# Altium PCB SmallHat_V4.PcbDoc
Units mil, origin at the board's own origin, x right, y up, seen from the top; angles counter-clockwise.
Board outline 2637.8 x 2283.46 mil, 2 copper layers (Top Layer, Bottom Layer); 66 components, 91 nets, 343 pads, 230 vias.
Unrouted connection lines stored in the file: 1.
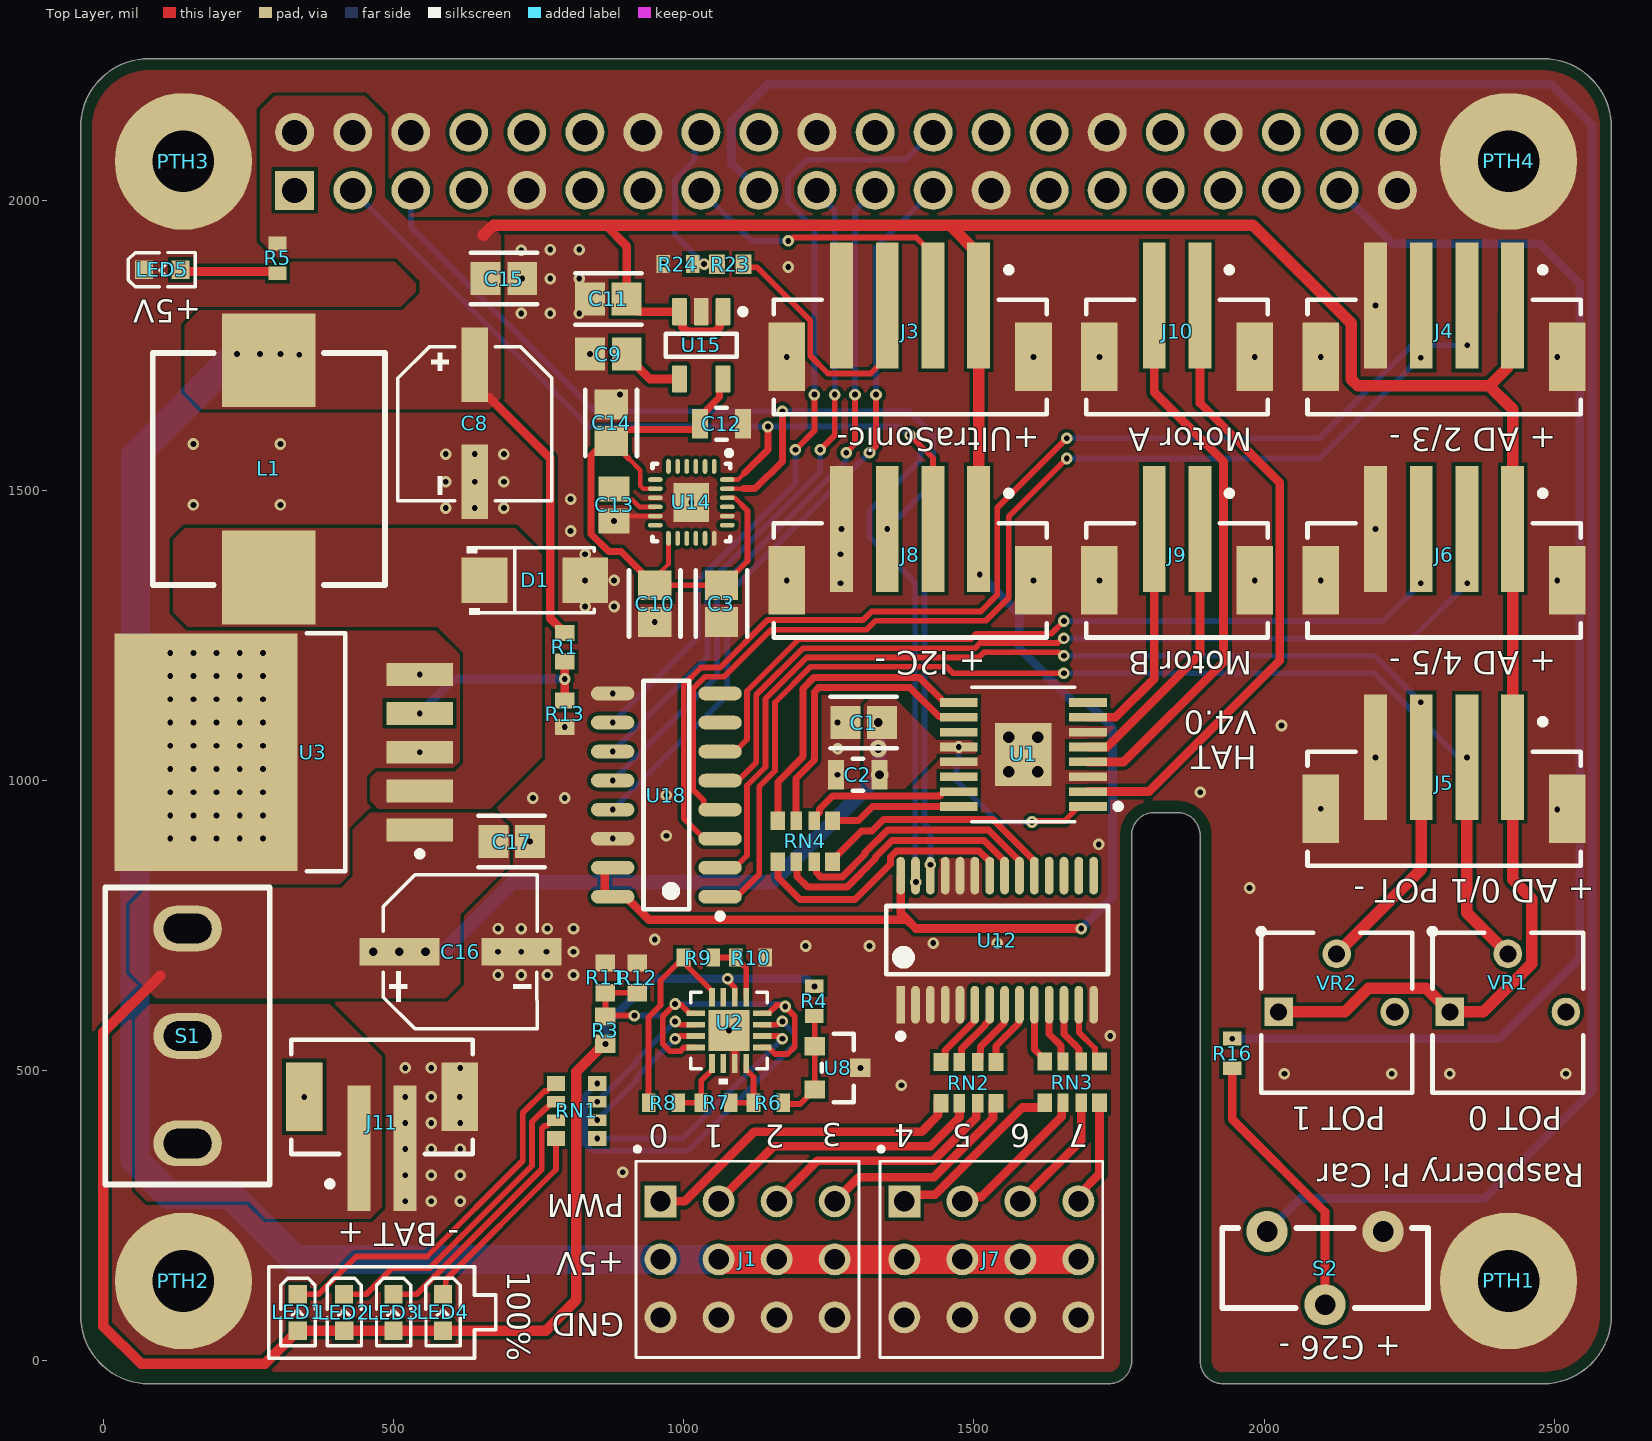
[diagram p0: Top Layer view]
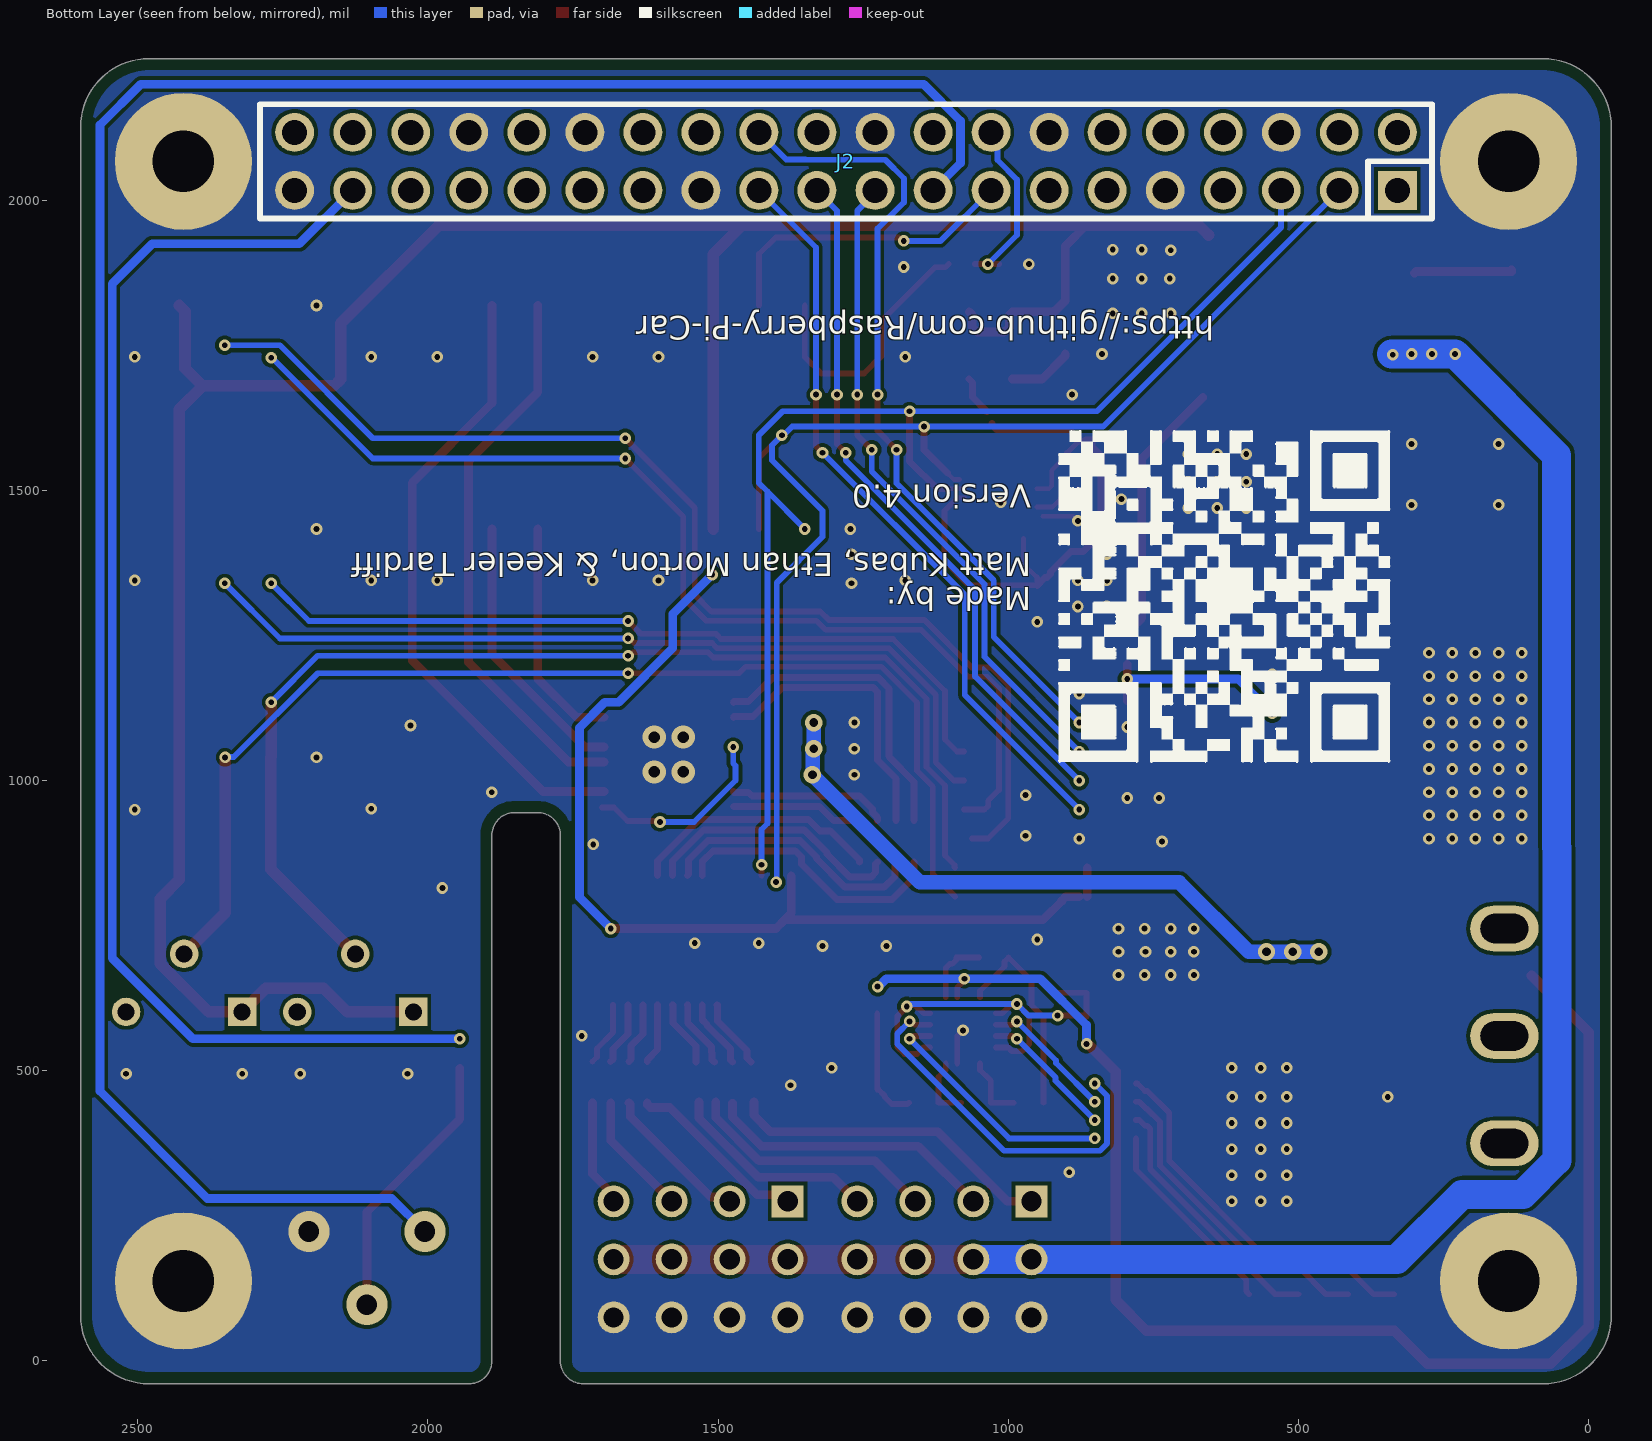
[diagram p1: Bottom Layer view, seen from below]

## Layer stack, top to bottom
Top Solder: solder mask 0.4, Solder Resist, Dk 3.5
Top Layer: signal copper 1.4
Dielectric 1: dielectric 12.6, FR-4, Dk 4.8
Bottom Layer: signal copper 1.4
Bottom Solder: solder mask 0.4, Solder Resist, Dk 3.5

## Board outline
78.74,-39.37 1732.28,-39.37 ccw(c1732.28,0) 1771.65,0 1771.65,905.51 cw(c1811.02,905.51) 1811.02,944.88 1850.39,944.88 cw(c1850.39,905.51) 1889.76,905.51 1889.76,0 ccw(c1929.13,0) 1929.13,-39.37 2480.32,-39.37 ccw(c2480.31,78.74) 2598.43,78.74 2598.43,2125.98 ccw(c2480.32,2125.98) 2480.32,2244.09 78.74,2244.09 ccw(c78.74,2125.98) -39.37,2125.98 -39.37,78.74 ccw(c78.74,78.74)

## Design rules (kind name [scope] priority, off if disabled: settings)
BoardOutlineClearance [All] p1: gap=20 ignorepadtopadclearanceinfootprint=FALSE
Clearance [All] p1: gap=6.3 ignorepadtopadclearanceinfootprint=FALSE except(4: Arc-SMDPad Track-SMDPad SMDPad-SMDPad; 6: Arc-Arc Arc-Track Track-Track)
HoleSize [All] p1: absolutevalues=TRUE maxlimit=262.6 minlimit=1 maxpercent=80.000 minpercent=20.000
MinimumSolderMaskSliver [All] p1: minsoldermaskwidth=1.97
PlaneConnect [All] p1: planeconnectstyle=Direct reliefexpansion=20 reliefentries=4 reliefconductorwidth=10 reliefairgap=10
PolygonConnect [All] p1: connectstyle=Direct reliefconductorwidth=10 reliefentries=4 polygonreliefangle="90 Angle" airgapwidth=10
RoutingVias [All] p1: holewidth=10 width=20 viastyle="Through Hole" minholewidth=10 minwidth=20 maxholewidth=248.03 maxwidth=314.96
SilkToSolderMaskClearance [IsPad] p1: minsilkscreentomaskgap=5.91 clearancetoexposedcopper=TRUE
SolderMaskExpansion [All] p1: expansion=1.5 istentingtop=FALSE
SupplyNets "Schematic Supply Nets_4" [InNet('B+SW')] p1: voltage=0.000
SupplyNets "Schematic Supply Nets_3" [InNet('5V')] p2: voltage=0.000
SupplyNets "Schematic Supply Nets_2" [InNet('GND')] p3: voltage=0.000
SupplyNets "Schematic Supply Nets" [InNet('3.3V')] p4: voltage=0.000
UnRoutedNet [All] p1: checkbadconnections=TRUE
Width [All] p1: maxlimit=78.74 minlimit=3.94 preferedwidth=10
25 further rules are at their usual default settings.

## Components (designator, comment, footprint, x,y, rotation, side; value= is the part's Value field where it differs from the comment)
C1 "100nF" FP-CC0805-0_85-IPC_B 1310,1100 r180 top value="100 nF"
C2 "10uF" FP-GRM21B-0_15-MFG 1300,1010 r180 top
C3 "100nF" FP-CC0805-0_85-IPC_B 1065,1305 r90 top value="100 nF"
C8 "220uF" RVT1A221M0605-Footprint-1 640,1716.18 r270 top
C9 "10nF" CAPC2013X100X50NL20T25 870,1735 r0 top
C10 "100nF" FP-CC0805-0_85-IPC_B 950,1305 r270 top value="100 nF"
C11 "100nF" FP-CC0805-0_85-IPC_B 870,1830 r180 top value="100 nF"
C12 "10uF" FP-GRM21B-0_15-MFG 1065,1615 r0 top
C13 "1uF" CAPC2013X140X50LL20T25 880,1475 r270 top
C14 "100nF" FP-CC0805-0_85-IPC_B 875,1616.53 r270 top value="100 nF"
C15 "100nF" FP-CC0805-0_85-IPC_B 690,1865 r0 top value="100 nF"
C16 "100uF" RVT1C101M0605-Footprint-1 509.77,705 r0 top
C17 "100nF" FP-CC0805-0_85-IPC_B 703.47,895 r0 top value="100 nF"
D1 "SS34" SS34-Footprint-1 656.78,1345 r0 top
J1 "5-103817-2" TE_5-103817-2 1110,175 r0 top
J2 "2.54-2*20P--PC104" "New footprint 1"#1 1279.53,2066.93 r0 bottom locked
J3 "B4B-PH-SM4-TB(LF)(SN)" FP-B4B-PH-SM4-TB-MFG 1390,1730 r180 top
J4 "B4B-PH-SM4-TB(LF)(SN)" FP-B4B-PH-SM4-TB-MFG 2310,1730 r180 top
J5 "B4B-PH-SM4-TB(LF)(SN)" FP-B4B-PH-SM4-TB-MFG 2310,951.42 r180 top
J6 "B4B-PH-SM4-TB(LF)(SN)" FP-B4B-PH-SM4-TB-MFG 2310,1345 r180 top
J7 "5-103817-2" TE_5-103817-2 1530,175 r0 top
J8 "B4B-PH-SM4-TB(LF)(SN)" FP-B4B-PH-SM4-TB-MFG 1390,1345 r180 top
J9 "B2B-PH-SM4-TB(LF)(SN)" FP-B2B-PH-SM4-TB_LF_SN-MFG 1850,1345 r180 top
J10 "B2B-PH-SM4-TB(LF)(SN)" FP-B2B-PH-SM4-TB_LF_SN-MFG 1850,1730 r180 top
J11 "B2B-PH-SM4-TB(LF)(SN)" FP-B2B-PH-SM4-TB_LF_SN-MFG 480,455 r0 top
L1 "FXL1050-470-M" FXL1050-470-M-Footprint-1 285,1350 r90 top
LED1 "KT-0603R" XL-1608SURC-06-Footprint-1 334.73,115.01 r270 top
LED2 "KT-0603R" XL-1608SURC-06-Footprint-1 414.73,115.01 r270 top
LED3 "KT-0603R" XL-1608SURC-06-Footprint-1 499.73,115.01 r270 top
LED4 "KT-0603R" XL-1608SURC-06-Footprint-1 585,115 r270 top
LED5 "KT-0603R" XL-1608SURC-06-Footprint-1 70,1880 r0 top
PTH1 "Mounting Hole (2.7/6 mm)" "New footprint 1"#2 2470.75,137.8 r0 top
PTH2 "Mounting Hole (2.7/6 mm)" "New footprint 1"#3 80.75,-769.25 r0 top
PTH3 "Mounting Hole (2.7/6 mm)" "New footprint 1"#4 80.75,1110.75 r0 top
PTH4 "Mounting Hole (2.7/6 mm)" "New footprint 1"#5 2350.75,1130.75 r0 top
R1 "3.74k" RESC1608X55X30LL15T15#1 795,1230 r270 top
R3 "36k" RESC1608X55X30LL20T20 865,570 r270 top
R4 "2k" RESC1608X55X25LL10T15 1225,620 r90 top
R5 "2k" RESC1608X55X25LL10T15 300,1900 r90 top
R6 "27k" RESC1608X55X25LL10T15 1145.59,445 r180 top
R7 "3k" RESC1608X55X25LL10T15 1055.59,445 r180 top
R8 "3k" RESC1608X55X25LL10T15 965,445 r180 top
R9 "3k" RESC1608X55X25LL10T15 1025,695 r0 top
R10 "33k" RESC1608X55X25LL10T15 1115,695 r180 top
R11 "18k" RESC1608X55X30LL15T15#2 865,660 r270 top
R12 "18k" RESC1608X55X30LL15T15#2 920,660 r270 top
R13 "1.13k" RESC1609X50X30LL10T20 795,1115 r270 top
R16 "2k" RESC1608X55X25LL10T15 1945,530 r270 top
R23 "1.13k" RESC1609X50X30LL10T20 1080,1890 r0 top
R24 "2k" RESC1608X55X25LL10T15 990,1890 r0 top
RN1 "4D03WGJ0103T5E" 4D03WGJ0103T5E-Footprint-1 850.87,383.51 r90 top
RN2 "4D03WGJ0101T5E" 4D03WGJ0101T5E-Footprint-1 1443.51,444.13 r0 top
RN3 "4D03WGJ0101T5E" 4D03WGJ0101T5E-Footprint-1 1622.01,445 r0 top
RN4 "4D03WGJ0101T5E" 4D03WGJ0101T5E-Footprint-1 1256.49,930.87 r180 top
S1 "SS-12M11G3" SS-12M11G5-Footprint-1 145,745 r270 top
S2 "K3-1235D-K1" K3-1235D-K1-Footprint-1 2105,160 r180 top
U1 "PDRV8411PWPR" PWP0016C-IPC_B 1696.24,955.43 r180 top
U2 "LM324QT" LM324QT-Footprint-1 1078,569.53 r270 top
U3 "LM2596S-ADJ(UMW)" TS5B_L 310.75,1048.86 r180 top
U8 "TL431ASA-7" FP-SOT23-MFG 1265,505 r0 top
U12 "PCA9685PW,118" FP-SOT361-1-IPC_B 1540,725 r90 top
U14 "ICM-20948" TDK-QFN-24_L 1012.99,1479.37 r270 top
U15 "TPS79318DBVR" DBV0005A_M 1030,1750 r270 top
U18 "MCP3008-I/SL" SOIC-SL16_L 970,975 r180 top
VR1 "3362P-1-103LF" BOUR-3362P 2420,600 r0 top value=10k
VR2 "3362P-1-103LF" BOUR-3362P 2125,600 r0 top value=10k

## Footprints (in the part's own frame and the unit in brackets; to place one, negate y for a bottom-side part, rotate by r counter-clockwise, add the part's x,y. Pads: shape width x height; smd on the part's side, far side on the other; paste and mask are expansions set on the pad)
4D03WGJ0101T5E-Footprint-1 [mm]
  rect 0.65x0.8 smd: 1(0,0) 4(2.4,0) 5(2.4,1.8) 8(0,1.8)
  rect 0.5x0.8 smd: 2(0.8,0) 3(1.6,0) 6(1.6,1.8) 7(0.8,1.8)
4D03WGJ0103T5E-Footprint-1 [mm]
  rect 0.65x0.8 smd: 1(0,0) 4(2.4,0) 5(2.4,1.8) 8(0,1.8)
  rect 0.5x0.8 smd: 2(0.8,0) 3(1.6,0) 6(1.6,1.8) 7(0.8,1.8)
BOUR-3362P [mm] "THD, 3-Leads, Body 6.6x6.99mm, Pitch 2.54mm"
  rect 1.25x1.25 hole 0.75: 1(-2.54,0.035)
  round 1.25 hole 0.75: 2(0,2.575) 3(2.54,0.035)
  silkscreen extent -3.43,-3.49 3.3,3.68, body extent -3.3,-3.49 3.3,3.49, height 4.95
CAPC2013X100X50NL20T25 [mm] "Chip Capacitor, 2-Leads, Body 2.00x1.25mm, IPC Medium Density"
  rect 1.3x1.45 smd: 1(-0.8,0) 2(0.8,0)
  body extent -1.1,-0.72 1.1,0.72, height 1
CAPC2013X140X50LL20T25 [mm] "Chip Capacitor, 2-Leads, Body 2.00x1.25mm, IPC High Density"
  rect 1.1x1.35 smd: 1(-0.7,0) 2(0.7,0)
  body extent -1.1,-0.72 1.1,0.72, height 1.4
DBV0005A_M [mm] "SOT23, 5-Leads, Body 3.05x1.75mm, Pitch 0.95mm, IPC Low Density"
  rrect15% 1.2x0.65 smd: 1(-1.475,0.95) 2(-1.475,0) 3(-1.475,-0.95) 4(1.475,-0.95) 5(1.475,0.95)
  silkscreen extent -1.6,-1.55 0.5,1.95, body extent -1.42,-1.46 1.42,1.46, height 1.08
FP-B2B-PH-SM4-TB_LF_SN-MFG [mm]
  rect 1x5.5 smd paste+0 mask+0: 1(-1,-2.25) 2(1,-2.25)
  rect 1.6x3 smd paste+0 mask+0: 3(-3.4,0) 4(3.4,0)
  silkscreen extent -3.98,-3.93 3.98,2.5, body extent -3.98,-4.5 3.98,2.5, height 6.6
FP-B4B-PH-SM4-TB-MFG [mm]
  rect 1x5.5 smd paste+0 mask+0: 1(-3,-2.25) 2(-1,-2.25) 3(1,-2.25) 4(3,-2.25)
  rect 1.6x3 smd paste+0 mask+0: 5(-5.4,0) 6(5.4,0)
  silkscreen extent -5.97,-3.93 5.97,2.5, body extent -5.97,-4.5 5.97,2.5, height 6.78
FP-CC0805-0_85-IPC_B [mil]
  rect 51.36x57.33 smd paste+0 mask+0: 1(-31.53,0) 2(31.53,0)
  silkscreen extent -57,-44 57,44, body extent -67,-39 67,39, height 10
FP-GRM21B-0_15-MFG [mm]
  rect 0.7x1.3 smd paste+0 mask+0: 1(-0.95,0) 2(0.95,0)
  silkscreen extent -0.23,-0.7 0.23,0.7, body extent -1.4,-0.8 1.4,0.8, height 0.25
FP-SOT23-MFG [mm]
  rect 0.9x0.8 smd paste+0 mask+0: 1(-1,0.95) 2(-1,-0.95) 3(1,0)
  silkscreen extent -0.7,-1.5 0.7,1.5, body extent -1.2,-1.45 1.2,1.45, height 1.1
FP-SOT361-1-IPC_B [mm]
  rect 1.655x0.381 smd paste+0 mask+0: 1(-2.825,4.225)
  rrect100% 1.655x0.381 smd paste+0 mask+0: 2(-2.825,3.575) 3(-2.825,2.925) 4(-2.825,2.275) 5(-2.825,1.625) 6(-2.825,0.975) 7(-2.825,0.325) 8(-2.825,-0.325) 9(-2.825,-0.975) 10(-2.825,-1.625) 11(-2.825,-2.275) 12(-2.825,-2.925) 13(-2.825,-3.575) 14(-2.825,-4.225) 15(2.825,-4.225) 16(2.825,-3.575) 17(2.825,-2.925) 18(2.825,-2.275) 19(2.825,-1.625) 20(2.825,-0.975) 21(2.825,-0.325) 22(2.825,0.325) 23(2.825,0.975) 24(2.825,1.625) 25(2.825,2.275) 26(2.825,2.925) 27(2.825,3.575) 28(2.825,4.225)
  silkscreen extent -4.33,-4.85 1.5,4.85, body extent -3.9,-5.1 3.9,5.1, height 0.25
FXL1050-470-M-Footprint-1 [mm]
  rect 4.1x4.1 smd: 1(0,0) 2(9.5,0)
  silkscreen extent -0.33,-5.08 9.83,5.08
K3-1235D-K1-Footprint-1 [mm]
  round 1.8 hole 0.9: 1(-2.54,-1.6) 2(0,1.6) 3(2.54,-1.6)
  silkscreen extent -4.5,-1.75 4.5,1.75
LM324QT-Footprint-1 [mil]
  rect 32x10 smd paste+0 mask+0: 1(-57,29.53) 2(-57,9.84) 3(-57,-9.84) 4(-57,-29.53) 9(57,-29.53) 10(57,-9.84) 11(57,9.84) 12(57,29.53)
  rect 10x32 smd paste+0 mask+0: 5(-29.53,-57) 6(-9.84,-57) 7(9.84,-57) 8(29.53,-57) 13(29.53,57) 14(9.84,57) 15(-9.84,57) 16(-29.53,57)
  rect 71x71 smd paste+0 mask+0: 17(0,0)
  round 15 on Top Overlay: ""(-85,60)
  round 7.87 on Mech1: ""(-85,60)
  silkscreen extent -66,-66 93,66, body extent -61,-61 61,61, height 39
"New footprint 1"#1 [mm]
  rect 1.7x1.7 hole 1.1: 1(-24.13,1.27)
  round 1.7 hole 1.1: 2(-24.13,-1.27) 3(-21.59,1.27) 4(-21.59,-1.27) 5(-19.05,1.27) 6(-19.05,-1.27) 7(-16.51,1.27) 8(-16.51,-1.27) 9(-13.97,1.27) 10(-13.97,-1.27) 11(-11.43,1.27) 12(-11.43,-1.27) 13(-8.89,1.27) 14(-8.89,-1.27) 15(-6.35,1.27) 16(-6.35,-1.27) 17(-3.81,1.27) 18(-3.81,-1.27) 19(-1.27,1.27) 20(-1.27,-1.27) 21(1.27,1.27) 22(1.27,-1.27) 23(3.81,1.27) 24(3.81,-1.27) 25(6.35,1.27) 26(6.35,-1.27) 27(8.89,1.27) 28(8.89,-1.27) 29(11.43,1.27) 30(11.43,-1.27) 31(13.97,1.27) 32(13.97,-1.27) 33(16.51,1.27) 34(16.51,-1.27) 35(19.05,1.27) 36(19.05,-1.27) 37(21.59,1.27) 38(21.59,-1.27) 39(24.13,1.27) 40(24.13,-1.27)
  silkscreen extent -25.65,-2.5 25.65,2.5, body extent -25.65,-2.5 25.65,2.5, height 13.75
"New footprint 1"#2 [mm]
  round 6 hole 2.7: 0(-1.257,0)
"New footprint 1"#3 [mm]
  round 6 hole 2.7: 0(1.449,23.039)
"New footprint 1"#4 [mm]
  round 6 hole 2.7: 0(1.449,24.287)
"New footprint 1"#5 [mm]
  round 6 hole 2.7: 0(1.791,23.779)
PWP0016C-IPC_B [mm]
  rect 1.655x0.381 smd paste+0 mask+0: 1(0,0) 2(0,-0.65) 3(0,-1.3) 4(0,-1.95) 5(0,-2.6) 6(0,-3.25) 7(0,-3.9) 8(0,-4.55) 9(5.651,-4.55) 10(5.651,-3.9) 11(5.651,-3.25) 12(5.651,-2.6) 13(5.651,-1.95) 14(5.651,-1.3) 15(5.651,-0.65) 16(5.651,0)
  rect 2.46x2.77 smd paste-1.372 mask+0: 17(2.825,-2.275)
  silkscreen extent -1.45,-5.22 5.08,0.67
RESC1608X55X25LL10T15 [mm] "Chip Resistor, 2-Leads, Body 1.60x0.80mm, IPC High Density"
  rect 0.6x0.8 smd: 1(-0.65,0) 2(0.65,0)
  body extent -0.85,-0.45 0.85,0.45, height 0.55
RESC1608X55X30LL15T15#1 [mm] "Chip Resistor, 2-Leads, Body 1.60x0.80mm, IPC High Density"
  rect 0.7x0.85 smd: 1(-0.625,0) 2(0.625,0)
  body extent -0.87,-0.48 0.87,0.48, height 0.55
RESC1608X55X30LL15T15#2 [mm] "Chip Resistor, 2-Leads, Body 1.75x0.95mm, IPC High Density"
  rect 0.75x0.85 smd: 1(-0.65,0) 2(0.65,0)
  body extent -0.87,-0.48 0.87,0.48, height 0.55
RESC1608X55X30LL20T20 [mm] "Chip Resistor, 2-Leads, Body 1.60x0.80mm, IPC High Density"
  rect 0.8x0.9 smd: 1(-0.6,0) 2(0.6,0)
  body extent -0.9,-0.5 0.9,0.5, height 0.55
RESC1609X50X30LL10T20 [mm] "Chip Resistor, 2-Leads, Body 1.55x0.85mm, IPC High Density"
  rect 0.7x0.85 smd: 1(-0.575,0) 2(0.575,0)
  body extent -0.82,-0.48 0.82,0.48, height 0.5
RVT1A221M0605-Footprint-1 [mm]
  rect 3.26x1.15 smd: 1(0,0) 2(5.11,0)
  silkscreen extent -0.81,-3.38 5.95,3.38
RVT1C101M0605-Footprint-1 [mm]
  rect 3.5x1.2 smd: 1(0,0) 2(5.34,0)
  silkscreen extent -0.71,-3.38 6.05,3.38
SOIC-SL16_L [mm] "SOIC, 16-Leads, Body 9.9x3.9mm, Pitch 1.27mm, IPC High Density"
  oval 1.9x0.6 smd: 1(-2.35,4.445) 2(-2.35,3.175) 3(-2.35,1.905) 4(-2.35,0.635) 5(-2.35,-0.635) 6(-2.35,-1.905) 7(-2.35,-3.175) 8(-2.35,-4.445) 9(2.35,-4.445) 10(2.35,-3.175) 11(2.35,-1.905) 12(2.35,-0.635) 13(2.35,0.635) 14(2.35,1.905) 15(2.35,3.175) 16(2.35,4.445)
  silkscreen extent -2.48,-5 1,5.42, body extent -2,-5 2,5, height 1.75
SS34-Footprint-1 [mm]
  rect 2x2 smd: 1(0,0) 2(4.4,0)
  silkscreen extent -0.78,-1.5 4.8,1.5
SS-12M11G5-Footprint-1 [mm]
  oval 2x3 hole 1.3 slot 2.1 at 90 deg paste-2539.97 mask+0.05: 1(0,0) 2(4.7,0) 3(9.4,0)
  silkscreen extent -1.8,-3.6 11.2,3.6
TDK-QFN-24_L [mm] "QFN, 24-Leads, Body 3.10x3.10mm, Pitch 0.40mm, Thermal Pad 1.70x1.54mm, IPC High Density"
  oval 0.65x0.2 smd: 1(-1.575,1) 2(-1.575,0.6) 3(-1.575,0.2) 4(-1.575,-0.2) 5(-1.575,-0.6) 6(-1.575,-1) 13(1.575,-1) 14(1.575,-0.6) 15(1.575,-0.2) 16(1.575,0.2) 17(1.575,0.6) 18(1.575,1)
  oval 0.2x0.65 smd: 7(-1,-1.575) 8(-0.6,-1.575) 9(-0.2,-1.575) 10(0.2,-1.575) 11(0.6,-1.575) 12(1,-1.575) 19(1,1.575) 20(0.6,1.575) 21(0.2,1.575) 22(-0.2,1.575) 23(-0.6,1.575) 24(-1,1.575)
  rect 1.7x1.54 smd: 25(0,0)
  silkscreen extent -2.26,-1.7 1.7,1.75, body extent -1.55,-1.55 1.55,1.55, height 1.05
TE_5-103817-2 [mil]
  rect 55x55 hole 35: 1(-150,100)
  round 55 hole 35: 2(-50,100) 3(50,100) 4(150,100) 5(-150,0) 6(-50,0) 7(50,0) 8(150,0) 9(-150,-100) 10(-50,-100) 11(50,-100) 12(150,-100)
  silkscreen extent -194,-169 192,194
TS5B_L [mm] "D2-PAK, 6-Leads, Body 8.6x10.2mm, Pitch 1.7mm, Lead Span 14.1mm, IPC High Density"
  rect 2.9x1 smd: 1(-5.95,3.4) 2(-5.95,1.7) 3(-5.95,0) 4(-5.95,-1.7) 5(-5.95,-3.4)
  rect 8x10.4 smd: 6(3.4,0)
  silkscreen extent -6.08,-5.2 -1,5.2, body extent -2.7,-5.2 6.19,5.2, height 4.65
XL-1608SURC-06-Footprint-1 [mm]
  rect 0.8x0.8 smd: 1(0,0) 2(1.599,0.007)
  silkscreen extent -0.69,-0.74 2.25,0.76
